# KiCad board OLD_PCB.kicad_pcb (continued)
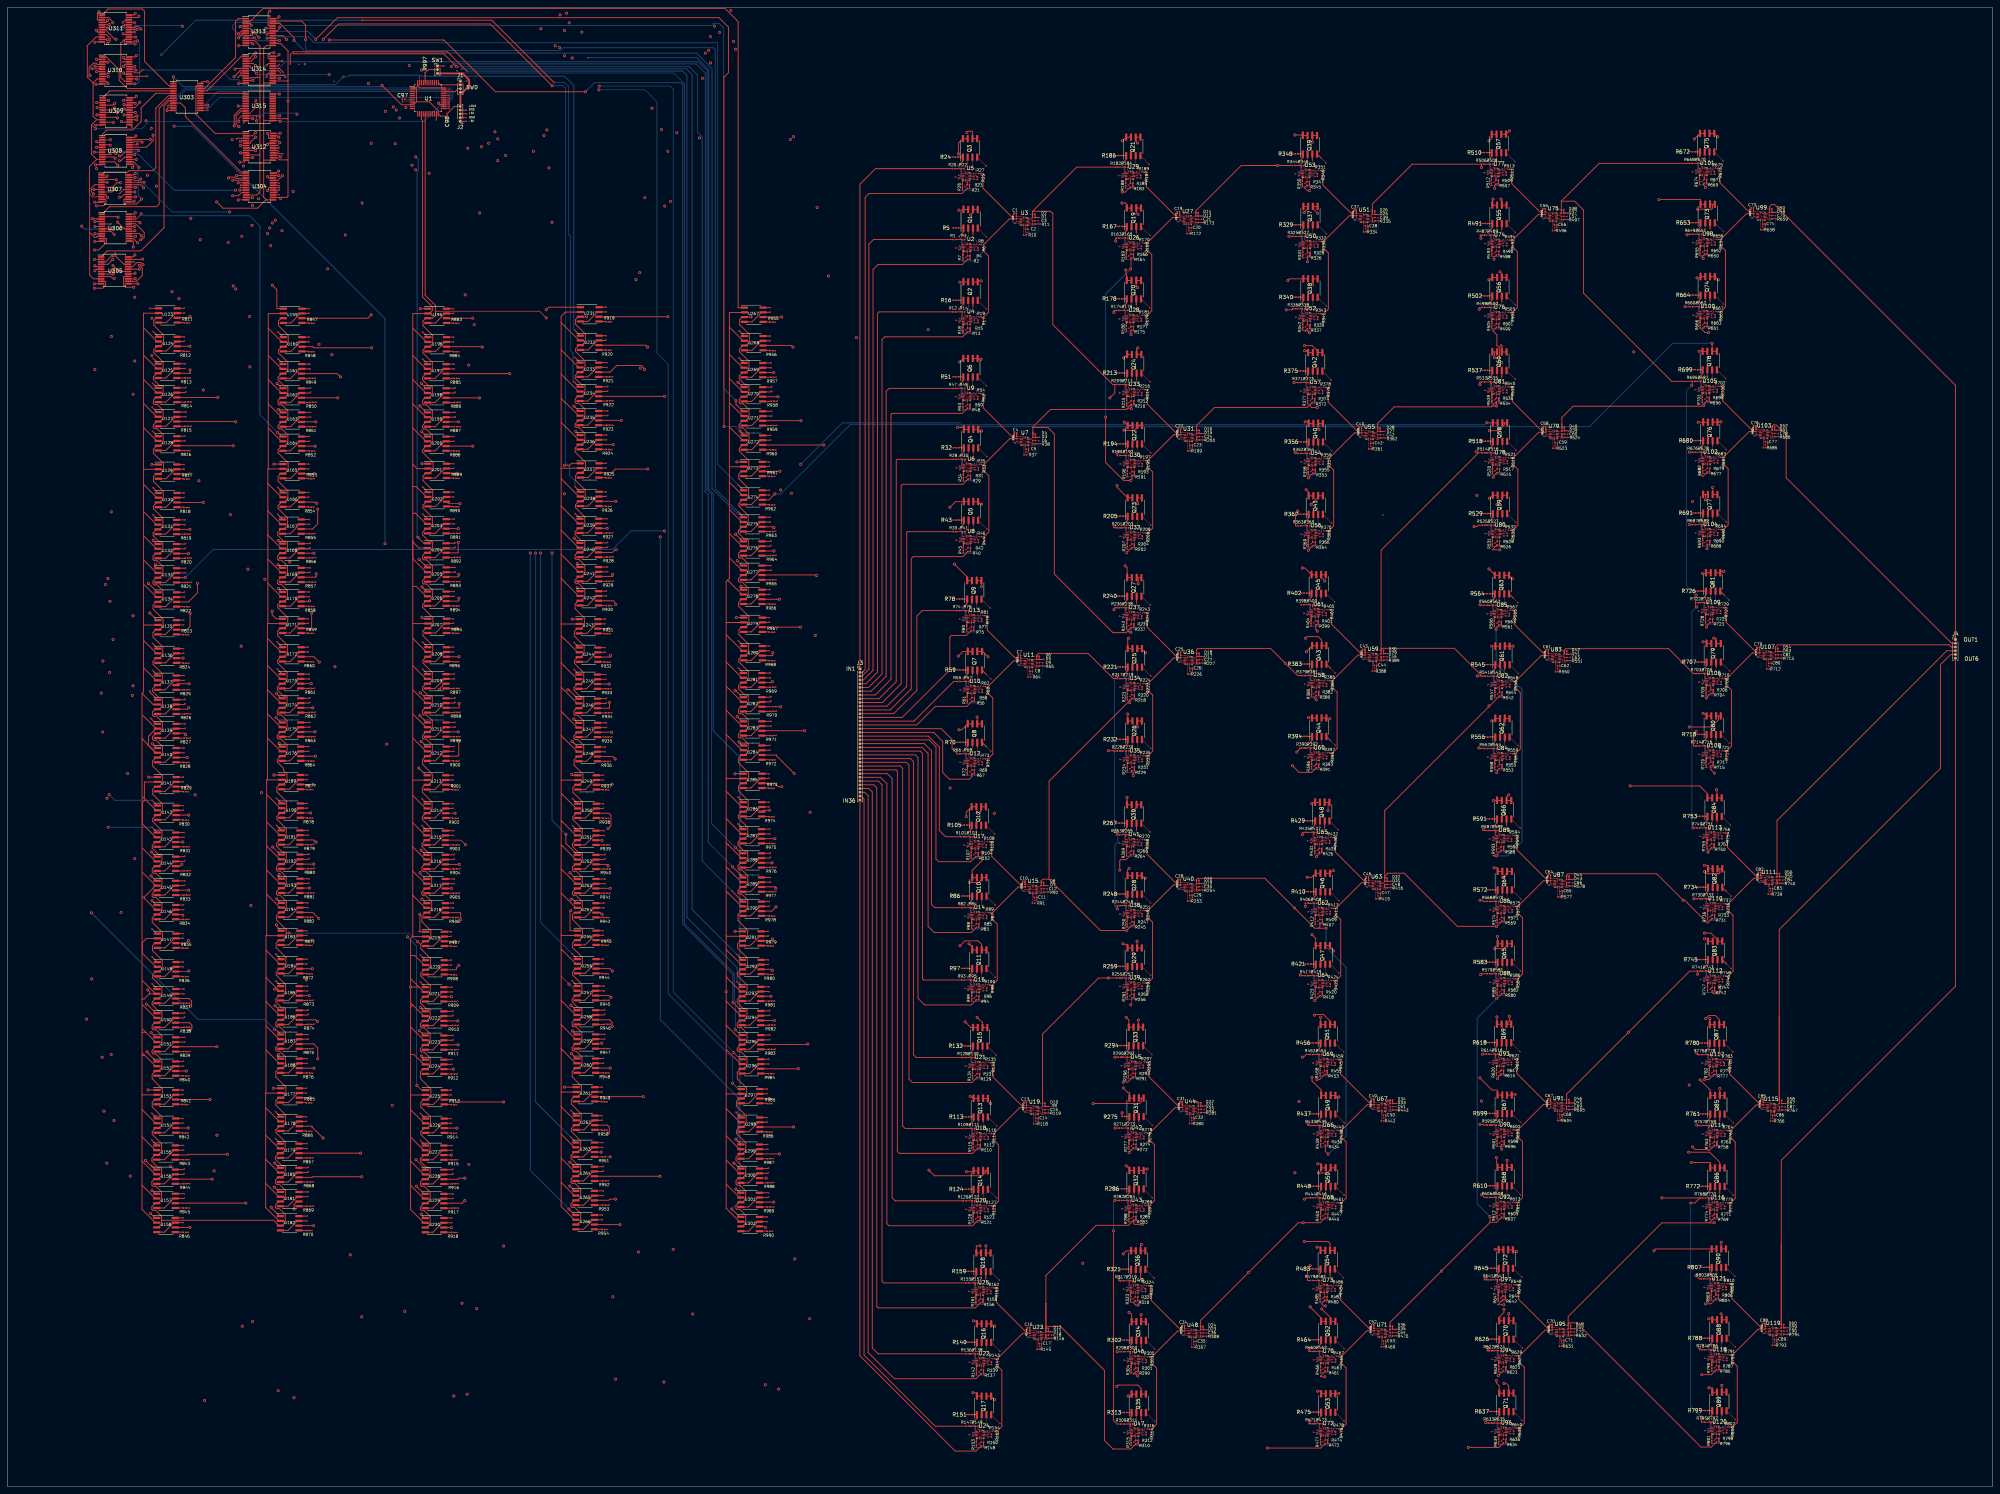
[diagram p0: board, top side]
## Placement (name value [footprint] x y rotation side) (continued)
R82  1k  [R_0201_0603Metric]  255.13 154.6 0 top
R83  1k  [R_0201_0603Metric]  259.03 149.32 0 top
R84  1k  [R_0201_0603Metric]  257.58 154.6 0 top
R85  1k  [R_0201_0603Metric]  259.03 150.28 180 top
R86  200k  [R_0201_0603Metric]  255.93 157.7 0 top
R87  200k  [R_0201_0603Metric]  261.47 152.06 90 top
R88  1k  [R_0201_0603Metric]  257.45 150 270 top
R89  1k  [R_0201_0603Metric]  262.66 153.26 0 top
R90  1k  [R_0201_0603Metric]  271.73 160.43 90 top
R91  1k  [R_0201_0603Metric]  273.99 155.81 0 top
R92  100k  [R_0201_0603Metric]  276.35 158.75 0 top
R93  1k  [R_0201_0603Metric]  255.13 135.28 0 top
R94  1k  [R_0201_0603Metric]  259.02 129.99 0 top
R95  1k  [R_0201_0603Metric]  257.57 135.28 0 top
R96  1k  [R_0201_0603Metric]  259.02 130.96 180 top
R97  200k  [R_0201_0603Metric]  255.93 138.38 0 top
R98  200k  [R_0201_0603Metric]  261.46 132.74 90 top
R99  1k  [R_0201_0603Metric]  257.45 130.68 270 top
R100  1k  [R_0201_0603Metric]  262.65 133.93 0 top
R101  1k  [R_0201_0603Metric]  254.98 173.54 0 top
R102  1k  [R_0201_0603Metric]  258.88 168.25 0 top
R103  1k  [R_0201_0603Metric]  257.43 173.54 0 top
R104  1k  [R_0201_0603Metric]  258.88 169.22 180 top
R105  200k  [R_0201_0603Metric]  255.78 176.64 0 top
R106  200k  [R_0201_0603Metric]  261.32 171 90 top
R107  1k  [R_0201_0603Metric]  257.3 168.94 270 top
R108  1k  [R_0201_0603Metric]  262.51 172.19 0 top
R109  1k  [R_0201_0603Metric]  255.5 95.63 0 top
R110  1k  [R_0201_0603Metric]  259.39 90.34 0 top
R111  1k  [R_0201_0603Metric]  257.94 95.63 0 top
R112  1k  [R_0201_0603Metric]  259.39 91.31 180 top
R113  200k  [R_0201_0603Metric]  256.3 98.73 0 top
R114  200k  [R_0201_0603Metric]  261.83 93.09 90 top
R115  1k  [R_0201_0603Metric]  257.82 91.03 270 top
R116  1k  [R_0201_0603Metric]  263.02 94.28 0 top
R117  1k  [R_0201_0603Metric]  272.09 101.45 90 top
R118  1k  [R_0201_0603Metric]  274.35 96.83 0 top
R119  100k  [R_0201_0603Metric]  276.71 99.78 0 top
R120  1k  [R_0201_0603Metric]  255.49 76.3 0 top
R121  1k  [R_0201_0603Metric]  259.39 71.02 0 top
R122  1k  [R_0201_0603Metric]  257.94 76.3 0 top
R123  1k  [R_0201_0603Metric]  259.39 71.98 180 top
R124  200k  [R_0201_0603Metric]  256.29 79.4 0 top
R125  200k  [R_0201_0603Metric]  261.83 73.76 90 top
R126  1k  [R_0201_0603Metric]  257.81 71.7 270 top
R127  1k  [R_0201_0603Metric]  263.02 74.96 0 top
R128  1k  [R_0201_0603Metric]  255.35 114.56 0 top
R129  1k  [R_0201_0603Metric]  259.24 109.28 0 top
R130  1k  [R_0201_0603Metric]  257.79 114.56 0 top
R131  1k  [R_0201_0603Metric]  259.24 110.24 180 top
R132  200k  [R_0201_0603Metric]  256.15 117.66 0 top
R133  200k  [R_0201_0603Metric]  261.68 112.02 90 top
R134  1k  [R_0201_0603Metric]  257.67 109.97 270 top
R135  1k  [R_0201_0603Metric]  262.88 113.22 0 top
R136  1k  [R_0201_0603Metric]  256.38 35.44 0 top
R137  1k  [R_0201_0603Metric]  260.28 30.15 0 top
R138  1k  [R_0201_0603Metric]  258.83 35.44 0 top
R139  1k  [R_0201_0603Metric]  260.28 31.12 180 top
R140  200k  [R_0201_0603Metric]  257.18 38.54 0 top
R141  200k  [R_0201_0603Metric]  262.72 32.9 90 top
R142  1k  [R_0201_0603Metric]  258.7 30.84 270 top
R143  1k  [R_0201_0603Metric]  263.91 34.09 0 top
R144  1k  [R_0201_0603Metric]  272.98 41.27 90 top
R145  1k  [R_0201_0603Metric]  275.24 36.64 0 top
R146  100k  [R_0201_0603Metric]  277.6 39.59 0 top
R147  1k  [R_0201_0603Metric]  256.38 16.11 0 top
R148  1k  [R_0201_0603Metric]  260.27 10.83 0 top
R149  1k  [R_0201_0603Metric]  258.82 16.11 0 top
R150  1k  [R_0201_0603Metric]  260.27 11.79 180 top
R151  200k  [R_0201_0603Metric]  257.18 19.21 0 top
R152  200k  [R_0201_0603Metric]  262.71 13.57 90 top
R153  1k  [R_0201_0603Metric]  258.7 11.52 270 top
R154  1k  [R_0201_0603Metric]  263.9 14.77 0 top
R155  1k  [R_0201_0603Metric]  256.23 54.38 0 top
R156  1k  [R_0201_0603Metric]  260.13 49.09 0 top
R157  1k  [R_0201_0603Metric]  258.68 54.37 0 top
R158  1k  [R_0201_0603Metric]  260.13 50.06 180 top
R159  200k  [R_0201_0603Metric]  257.03 57.48 0 top
R160  200k  [R_0201_0603Metric]  262.57 51.83 90 top
R161  1k  [R_0201_0603Metric]  258.55 49.78 270 top
R162  1k  [R_0201_0603Metric]  263.76 53.03 0 top
R163  1k  [R_0201_0603Metric]  296.4 333.43 0 top
R164  1k  [R_0201_0603Metric]  300.29 328.14 0 top
R165  1k  [R_0201_0603Metric]  298.84 333.43 0 top
R166  1k  [R_0201_0603Metric]  300.29 329.11 180 top
R167  200k  [R_0201_0603Metric]  297.2 336.53 0 top
R168  200k  [R_0201_0603Metric]  302.73 330.89 90 top
R169  1k  [R_0201_0603Metric]  298.72 328.83 270 top
R170  1k  [R_0201_0603Metric]  303.92 332.08 0 top
R171  1k  [R_0201_0603Metric]  312.99 339.25 90 top
R172  1k  [R_0201_0603Metric]  315.25 334.63 0 top
R173  100k  [R_0201_0603Metric]  317.61 337.58 0 top
R174  1k  [R_0201_0603Metric]  296.39 314.1 0 top
R175  1k  [R_0201_0603Metric]  300.29 308.82 0 top
R176  1k  [R_0201_0603Metric]  298.84 314.1 0 top
R177  1k  [R_0201_0603Metric]  300.29 309.78 180 top
R178  200k  [R_0201_0603Metric]  297.19 317.2 0 top
R179  200k  [R_0201_0603Metric]  302.73 311.56 90 top
R180  1k  [R_0201_0603Metric]  298.71 309.5 270 top
R181  1k  [R_0201_0603Metric]  303.92 312.76 0 top
R182  1k  [R_0201_0603Metric]  296.25 352.36 0 top
R183  1k  [R_0201_0603Metric]  300.14 347.08 0 top
R184  1k  [R_0201_0603Metric]  298.69 352.36 0 top
R185  1k  [R_0201_0603Metric]  300.14 348.04 180 top
R186  200k  [R_0201_0603Metric]  297.05 355.46 0 top
R187  200k  [R_0201_0603Metric]  302.58 349.82 90 top
R188  1k  [R_0201_0603Metric]  298.57 347.77 270 top
R189  1k  [R_0201_0603Metric]  303.77 351.02 0 top
R190  1k  [R_0201_0603Metric]  296.65 275.36 0 top
R191  1k  [R_0201_0603Metric]  300.54 270.08 0 top
R192  1k  [R_0201_0603Metric]  299.09 275.36 0 top
R193  1k  [R_0201_0603Metric]  300.54 271.04 180 top
R194  200k  [R_0201_0603Metric]  297.45 278.46 0 top
R195  200k  [R_0201_0603Metric]  302.98 272.82 90 top
R196  1k  [R_0201_0603Metric]  298.97 270.77 270 top
R197  1k  [R_0201_0603Metric]  304.17 274.02 0 top
R198  1k  [R_0201_0603Metric]  313.24 281.19 90 top
R199  1k  [R_0201_0603Metric]  315.5 276.57 0 top
R200  100k  [R_0201_0603Metric]  317.86 279.51 0 top
R201  1k  [R_0201_0603Metric]  296.64 256.04 0 top
R202  1k  [R_0201_0603Metric]  300.54 250.75 0 top
R203  1k  [R_0201_0603Metric]  299.09 256.04 0 top
R204  1k  [R_0201_0603Metric]  300.54 251.72 180 top
R205  200k  [R_0201_0603Metric]  297.44 259.14 0 top
R206  200k  [R_0201_0603Metric]  302.98 253.5 90 top
R207  1k  [R_0201_0603Metric]  298.96 251.44 270 top
R208  1k  [R_0201_0603Metric]  304.17 254.69 0 top
R209  1k  [R_0201_0603Metric]  296.5 294.3 0 top
R210  1k  [R_0201_0603Metric]  300.39 289.02 0 top
R211  1k  [R_0201_0603Metric]  298.95 294.3 0 top
R212  1k  [R_0201_0603Metric]  300.39 289.98 180 top
R213  200k  [R_0201_0603Metric]  297.3 297.4 0 top
R214  200k  [R_0201_0603Metric]  302.83 291.76 90 top
R215  1k  [R_0201_0603Metric]  298.82 289.7 270 top
R216  1k  [R_0201_0603Metric]  304.03 292.95 0 top
R217  1k  [R_0201_0603Metric]  296.65 215.76 0 top
R218  1k  [R_0201_0603Metric]  300.54 210.48 0 top
R219  1k  [R_0201_0603Metric]  299.09 215.76 0 top
R220  1k  [R_0201_0603Metric]  300.54 211.44 180 top
R221  200k  [R_0201_0603Metric]  297.45 218.86 0 top
R222  200k  [R_0201_0603Metric]  302.98 213.22 90 top
R223  1k  [R_0201_0603Metric]  298.97 211.17 270 top
R224  1k  [R_0201_0603Metric]  304.17 214.42 0 top
R225  1k  [R_0201_0603Metric]  313.24 221.59 90 top
R226  1k  [R_0201_0603Metric]  315.5 216.97 0 top
R227  100k  [R_0201_0603Metric]  317.86 219.91 0 top
R228  1k  [R_0201_0603Metric]  296.64 196.44 0 top
R229  1k  [R_0201_0603Metric]  300.54 191.15 0 top
R230  1k  [R_0201_0603Metric]  299.09 196.44 0 top
R231  1k  [R_0201_0603Metric]  300.54 192.12 180 top
R232  200k  [R_0201_0603Metric]  297.44 199.54 0 top
R233  200k  [R_0201_0603Metric]  302.98 193.9 90 top
R234  1k  [R_0201_0603Metric]  298.96 191.84 270 top
R235  1k  [R_0201_0603Metric]  304.17 195.09 0 top
R236  1k  [R_0201_0603Metric]  296.5 234.7 0 top
R237  1k  [R_0201_0603Metric]  300.39 229.42 0 top
R238  1k  [R_0201_0603Metric]  298.95 234.7 0 top
R239  1k  [R_0201_0603Metric]  300.39 230.38 180 top
R240  200k  [R_0201_0603Metric]  297.3 237.8 0 top
R241  200k  [R_0201_0603Metric]  302.83 232.16 90 top
R242  1k  [R_0201_0603Metric]  298.82 230.1 270 top
R243  1k  [R_0201_0603Metric]  304.03 233.35 0 top
R244  1k  [R_0201_0603Metric]  296.61 155.14 0 top
R245  1k  [R_0201_0603Metric]  300.51 149.85 0 top
R246  1k  [R_0201_0603Metric]  299.06 155.14 0 top
R247  1k  [R_0201_0603Metric]  300.51 150.82 180 top
R248  200k  [R_0201_0603Metric]  297.41 158.24 0 top
R249  200k  [R_0201_0603Metric]  302.95 152.6 90 top
R250  1k  [R_0201_0603Metric]  298.93 150.54 270 top
R251  1k  [R_0201_0603Metric]  304.14 153.79 0 top
R252  1k  [R_0201_0603Metric]  313.21 160.97 90 top
R253  1k  [R_0201_0603Metric]  315.47 156.34 0 top
R254  100k  [R_0201_0603Metric]  317.83 159.29 0 top
R255  1k  [R_0201_0603Metric]  296.61 135.81 0 top
R256  1k  [R_0201_0603Metric]  300.5 130.53 0 top
R257  1k  [R_0201_0603Metric]  299.05 135.81 0 top
R258  1k  [R_0201_0603Metric]  300.5 131.49 180 top
R259  200k  [R_0201_0603Metric]  297.41 138.91 0 top
R260  200k  [R_0201_0603Metric]  302.94 133.27 90 top
R261  1k  [R_0201_0603Metric]  298.93 131.22 270 top
R262  1k  [R_0201_0603Metric]  304.13 134.47 0 top
R263  1k  [R_0201_0603Metric]  296.46 174.08 0 top
R264  1k  [R_0201_0603Metric]  300.36 168.79 0 top
R265  1k  [R_0201_0603Metric]  298.91 174.07 0 top
R266  1k  [R_0201_0603Metric]  300.36 169.76 180 top
R267  200k  [R_0201_0603Metric]  297.26 177.18 0 top
R268  200k  [R_0201_0603Metric]  302.8 171.53 90 top
R269  1k  [R_0201_0603Metric]  298.78 169.48 270 top
R270  1k  [R_0201_0603Metric]  303.99 172.73 0 top
R271  1k  [R_0201_0603Metric]  297.1 95.73 0 top
R272  1k  [R_0201_0603Metric]  300.99 90.44 0 top
R273  1k  [R_0201_0603Metric]  299.54 95.73 0 top
R274  1k  [R_0201_0603Metric]  300.99 91.41 180 top
R275  200k  [R_0201_0603Metric]  297.9 98.83 0 top
R276  200k  [R_0201_0603Metric]  303.43 93.19 90 top
R277  1k  [R_0201_0603Metric]  299.42 91.13 270 top
R278  1k  [R_0201_0603Metric]  304.62 94.38 0 top
R279  1k  [R_0201_0603Metric]  313.69 101.55 90 top
R280  1k  [R_0201_0603Metric]  315.95 96.93 0 top
R281  100k  [R_0201_0603Metric]  318.31 99.88 0 top
R282  1k  [R_0201_0603Metric]  297.09 76.4 0 top
R283  1k  [R_0201_0603Metric]  300.99 71.12 0 top
R284  1k  [R_0201_0603Metric]  299.54 76.4 0 top
R285  1k  [R_0201_0603Metric]  300.99 72.08 180 top
R286  200k  [R_0201_0603Metric]  297.89 79.5 0 top
R287  200k  [R_0201_0603Metric]  303.43 73.86 90 top
R288  1k  [R_0201_0603Metric]  299.41 71.8 270 top
R289  1k  [R_0201_0603Metric]  304.62 75.06 0 top
R290  1k  [R_0201_0603Metric]  296.95 114.66 0 top
R291  1k  [R_0201_0603Metric]  300.84 109.38 0 top
R292  1k  [R_0201_0603Metric]  299.39 114.66 0 top
R293  1k  [R_0201_0603Metric]  300.84 110.34 180 top
R294  200k  [R_0201_0603Metric]  297.75 117.76 0 top
R295  200k  [R_0201_0603Metric]  303.28 112.12 90 top
R296  1k  [R_0201_0603Metric]  299.27 110.07 270 top
R297  1k  [R_0201_0603Metric]  304.47 113.32 0 top
R298  1k  [R_0201_0603Metric]  297.7 36 0 top
R299  1k  [R_0201_0603Metric]  301.59 30.72 0 top
R300  1k  [R_0201_0603Metric]  300.15 36 0 top
R301  1k  [R_0201_0603Metric]  301.59 31.68 180 top
R302  200k  [R_0201_0603Metric]  298.5 39.1 0 top
R303  200k  [R_0201_0603Metric]  304.03 33.46 90 top
R304  1k  [R_0201_0603Metric]  300.02 31.4 270 top
R305  1k  [R_0201_0603Metric]  305.23 34.65 0 top
R306  1k  [R_0201_0603Metric]  314.29 41.83 90 top
R307  1k  [R_0201_0603Metric]  316.55 37.2 0 top
R308  100k  [R_0201_0603Metric]  318.92 40.15 0 top
R309  1k  [R_0201_0603Metric]  297.69 16.68 0 top
R310  1k  [R_0201_0603Metric]  301.59 11.39 0 top
R311  1k  [R_0201_0603Metric]  300.14 16.67 0 top
R312  1k  [R_0201_0603Metric]  301.59 12.36 180 top
R313  200k  [R_0201_0603Metric]  298.5 19.78 0 top
R314  200k  [R_0201_0603Metric]  304.03 14.13 90 top
R315  1k  [R_0201_0603Metric]  300.01 12.08 270 top
R316  1k  [R_0201_0603Metric]  305.22 15.33 0 top
R317  1k  [R_0201_0603Metric]  297.55 54.94 0 top
R318  1k  [R_0201_0603Metric]  301.44 49.65 0 top
R319  1k  [R_0201_0603Metric]  300 54.94 0 top
R320  1k  [R_0201_0603Metric]  301.44 50.62 180 top
R321  200k  [R_0201_0603Metric]  298.35 58.04 0 top
R322  200k  [R_0201_0603Metric]  303.88 52.4 90 top
R323  1k  [R_0201_0603Metric]  299.87 50.34 270 top
R324  1k  [R_0201_0603Metric]  305.08 53.59 0 top
R325  1k  [R_0201_0603Metric]  343.55 333.86 0 top
R326  1k  [R_0201_0603Metric]  347.44 328.58 0 top
R327  1k  [R_0201_0603Metric]  346 333.86 0 top
R328  1k  [R_0201_0603Metric]  347.44 329.54 180 top
R329  200k  [R_0201_0603Metric]  344.35 336.96 0 top
R330  200k  [R_0201_0603Metric]  349.88 331.32 90 top
R331  1k  [R_0201_0603Metric]  345.87 329.27 270 top
R332  1k  [R_0201_0603Metric]  351.07 332.52 0 top
R333  1k  [R_0201_0603Metric]  360.14 339.69 90 top
R334  1k  [R_0201_0603Metric]  362.4 335.07 0 top
R335  100k  [R_0201_0603Metric]  364.76 338.01 0 top
R336  1k  [R_0201_0603Metric]  343.54 314.54 0 top
R337  1k  [R_0201_0603Metric]  347.44 309.25 0 top
R338  1k  [R_0201_0603Metric]  345.99 314.54 0 top
R339  1k  [R_0201_0603Metric]  347.44 310.22 180 top
R340  200k  [R_0201_0603Metric]  344.34 317.64 0 top
R341  200k  [R_0201_0603Metric]  349.88 312 90 top
R342  1k  [R_0201_0603Metric]  345.86 309.94 270 top
R343  1k  [R_0201_0603Metric]  351.07 313.19 0 top
R344  1k  [R_0201_0603Metric]  343.4 352.8 0 top
R345  1k  [R_0201_0603Metric]  347.29 347.52 0 top
R346  1k  [R_0201_0603Metric]  345.85 352.8 0 top
R347  1k  [R_0201_0603Metric]  347.29 348.48 180 top
R348  200k  [R_0201_0603Metric]  344.2 355.9 0 top
R349  200k  [R_0201_0603Metric]  349.73 350.26 90 top
R350  1k  [R_0201_0603Metric]  345.72 348.2 270 top
R351  1k  [R_0201_0603Metric]  350.93 351.45 0 top
R352  1k  [R_0201_0603Metric]  344.96 275.9 0 top
R353  1k  [R_0201_0603Metric]  348.86 270.62 0 top
R354  1k  [R_0201_0603Metric]  347.41 275.9 0 top
R355  1k  [R_0201_0603Metric]  348.86 271.58 180 top
R356  200k  [R_0201_0603Metric]  345.76 279 0 top
R357  200k  [R_0201_0603Metric]  351.3 273.36 90 top
R358  1k  [R_0201_0603Metric]  347.28 271.3 270 top
R359  1k  [R_0201_0603Metric]  352.49 274.55 0 top
R360  1k  [R_0201_0603Metric]  361.56 281.73 90 top
R361  1k  [R_0201_0603Metric]  363.82 277.11 0 top
R362  100k  [R_0201_0603Metric]  366.18 280.05 0 top
R363  1k  [R_0201_0603Metric]  344.96 256.58 0 top
R364  1k  [R_0201_0603Metric]  348.85 251.29 0 top
R365  1k  [R_0201_0603Metric]  347.4 256.58 0 top
R366  1k  [R_0201_0603Metric]  348.85 252.26 180 top
R367  200k  [R_0201_0603Metric]  345.76 259.68 0 top
R368  200k  [R_0201_0603Metric]  351.29 254.04 90 top
R369  1k  [R_0201_0603Metric]  347.28 251.98 270 top
R370  1k  [R_0201_0603Metric]  352.48 255.23 0 top
R371  1k  [R_0201_0603Metric]  344.81 294.84 0 top
R372  1k  [R_0201_0603Metric]  348.71 289.55 0 top
R373  1k  [R_0201_0603Metric]  347.26 294.84 0 top
R374  1k  [R_0201_0603Metric]  348.71 290.52 180 top
R375  200k  [R_0201_0603Metric]  345.61 297.94 0 top
R376  200k  [R_0201_0603Metric]  351.15 292.3 90 top
R377  1k  [R_0201_0603Metric]  347.13 290.24 270 top
R378  1k  [R_0201_0603Metric]  352.34 293.49 0 top
R379  1k  [R_0201_0603Metric]  345.89 216.56 0 top
R380  1k  [R_0201_0603Metric]  349.78 211.28 0 top
R381  1k  [R_0201_0603Metric]  348.33 216.56 0 top
R382  1k  [R_0201_0603Metric]  349.78 212.24 180 top
R383  200k  [R_0201_0603Metric]  346.69 219.66 0 top
R384  200k  [R_0201_0603Metric]  352.22 214.02 90 top
R385  1k  [R_0201_0603Metric]  348.2 211.96 270 top
R386  1k  [R_0201_0603Metric]  353.41 215.21 0 top
R387  1k  [R_0201_0603Metric]  362.48 222.39 90 top
R388  1k  [R_0201_0603Metric]  364.74 217.77 0 top
R389  100k  [R_0201_0603Metric]  367.1 220.71 0 top
R390  1k  [R_0201_0603Metric]  345.88 197.24 0 top
R391  1k  [R_0201_0603Metric]  349.77 191.95 0 top
R392  1k  [R_0201_0603Metric]  348.33 197.24 0 top
R393  1k  [R_0201_0603Metric]  349.77 192.92 180 top
R394  200k  [R_0201_0603Metric]  346.68 200.34 0 top
R395  200k  [R_0201_0603Metric]  352.21 194.7 90 top
R396  1k  [R_0201_0603Metric]  348.2 192.64 270 top
R397  1k  [R_0201_0603Metric]  353.41 195.89 0 top
R398  1k  [R_0201_0603Metric]  345.74 235.5 0 top
R399  1k  [R_0201_0603Metric]  349.63 230.21 0 top
R400  1k  [R_0201_0603Metric]  348.18 235.5 0 top
R401  1k  [R_0201_0603Metric]  349.63 231.18 180 top
R402  200k  [R_0201_0603Metric]  346.54 238.6 0 top
R403  200k  [R_0201_0603Metric]  352.07 232.96 90 top
R404  1k  [R_0201_0603Metric]  348.06 230.9 270 top
R405  1k  [R_0201_0603Metric]  353.26 234.15 0 top
R406  1k  [R_0201_0603Metric]  346.85 155.76 0 top
R407  1k  [R_0201_0603Metric]  350.74 150.48 0 top
R408  1k  [R_0201_0603Metric]  349.29 155.76 0 top
R409  1k  [R_0201_0603Metric]  350.74 151.44 180 top
R410  200k  [R_0201_0603Metric]  347.65 158.86 0 top
R411  200k  [R_0201_0603Metric]  353.18 153.22 90 top
R412  1k  [R_0201_0603Metric]  349.17 151.17 270 top
R413  1k  [R_0201_0603Metric]  354.38 154.42 0 top
R414  1k  [R_0201_0603Metric]  363.44 161.59 90 top
R415  1k  [R_0201_0603Metric]  365.7 156.97 0 top
R416  100k  [R_0201_0603Metric]  368.06 159.91 0 top
R417  1k  [R_0201_0603Metric]  346.84 136.44 0 top
R418  1k  [R_0201_0603Metric]  350.74 131.15 0 top
R419  1k  [R_0201_0603Metric]  349.29 136.44 0 top
R420  1k  [R_0201_0603Metric]  350.74 132.12 180 top
R421  200k  [R_0201_0603Metric]  347.64 139.54 0 top
R422  200k  [R_0201_0603Metric]  353.18 133.9 90 top
R423  1k  [R_0201_0603Metric]  349.16 131.84 270 top
R424  1k  [R_0201_0603Metric]  354.37 135.09 0 top
R425  1k  [R_0201_0603Metric]  346.7 174.7 0 top
R426  1k  [R_0201_0603Metric]  350.59 169.42 0 top
R427  1k  [R_0201_0603Metric]  349.15 174.7 0 top
R428  1k  [R_0201_0603Metric]  350.59 170.38 180 top
R429  200k  [R_0201_0603Metric]  347.5 177.8 0 top
R430  200k  [R_0201_0603Metric]  353.03 172.16 90 top
R431  1k  [R_0201_0603Metric]  349.02 170.1 270 top
R432  1k  [R_0201_0603Metric]  354.23 173.35 0 top
R433  1k  [R_0201_0603Metric]  348.3 96.43 0 top
R434  1k  [R_0201_0603Metric]  352.19 91.14 0 top
R435  1k  [R_0201_0603Metric]  350.74 96.43 0 top
R436  1k  [R_0201_0603Metric]  352.19 92.11 180 top
R437  200k  [R_0201_0603Metric]  349.1 99.53 0 top
R438  200k  [R_0201_0603Metric]  354.63 93.89 90 top
R439  1k  [R_0201_0603Metric]  350.62 91.83 270 top
R440  1k  [R_0201_0603Metric]  355.82 95.08 0 top
R441  1k  [R_0201_0603Metric]  364.89 102.25 90 top
R442  1k  [R_0201_0603Metric]  367.15 97.63 0 top
R443  100k  [R_0201_0603Metric]  369.51 100.58 0 top
R444  1k  [R_0201_0603Metric]  348.29 77.1 0 top
R445  1k  [R_0201_0603Metric]  352.19 71.82 0 top
R446  1k  [R_0201_0603Metric]  350.74 77.1 0 top
R447  1k  [R_0201_0603Metric]  352.19 72.78 180 top
R448  200k  [R_0201_0603Metric]  349.09 80.2 0 top
R449  200k  [R_0201_0603Metric]  354.63 74.56 90 top
R450  1k  [R_0201_0603Metric]  350.61 72.5 270 top
R451  1k  [R_0201_0603Metric]  355.82 75.76 0 top
R452  1k  [R_0201_0603Metric]  348.15 115.36 0 top
R453  1k  [R_0201_0603Metric]  352.04 110.08 0 top
R454  1k  [R_0201_0603Metric]  350.59 115.36 0 top
R455  1k  [R_0201_0603Metric]  352.04 111.04 180 top
R456  200k  [R_0201_0603Metric]  348.95 118.46 0 top
R457  200k  [R_0201_0603Metric]  354.48 112.82 90 top
R458  1k  [R_0201_0603Metric]  350.47 110.77 270 top
R459  1k  [R_0201_0603Metric]  355.67 114.02 0 top
R460  1k  [R_0201_0603Metric]  348.28 36.09 0 top
R461  1k  [R_0201_0603Metric]  352.18 30.81 0 top
R462  1k  [R_0201_0603Metric]  350.73 36.09 0 top
R463  1k  [R_0201_0603Metric]  352.18 31.78 180 top
R464  200k  [R_0201_0603Metric]  349.08 39.19 0 top
R465  200k  [R_0201_0603Metric]  354.62 33.55 90 top
R466  1k  [R_0201_0603Metric]  350.6 31.5 270 top
R467  1k  [R_0201_0603Metric]  355.81 34.75 0 top
R468  1k  [R_0201_0603Metric]  364.88 41.92 90 top
R469  1k  [R_0201_0603Metric]  367.14 37.3 0 top
R470  100k  [R_0201_0603Metric]  369.5 40.25 0 top
R471  1k  [R_0201_0603Metric]  348.28 16.77 0 top
R472  1k  [R_0201_0603Metric]  352.17 11.49 0 top
R473  1k  [R_0201_0603Metric]  350.72 16.77 0 top
R474  1k  [R_0201_0603Metric]  352.17 12.45 180 top
R475  200k  [R_0201_0603Metric]  349.08 19.87 0 top
R476  200k  [R_0201_0603Metric]  354.61 14.23 90 top
R477  1k  [R_0201_0603Metric]  350.6 12.17 270 top
R478  1k  [R_0201_0603Metric]  355.8 15.42 0 top
R479  1k  [R_0201_0603Metric]  348.13 55.03 0 top
R480  1k  [R_0201_0603Metric]  352.03 49.75 0 top
R481  1k  [R_0201_0603Metric]  350.58 55.03 0 top
R482  1k  [R_0201_0603Metric]  352.03 50.71 180 top
R483  200k  [R_0201_0603Metric]  348.94 58.13 0 top
R484  200k  [R_0201_0603Metric]  354.47 52.49 90 top
R485  1k  [R_0201_0603Metric]  350.45 50.43 270 top
R486  1k  [R_0201_0603Metric]  355.66 53.68 0 top
R487  1k  [R_0201_0603Metric]  394 334.21 0 top
R488  1k  [R_0201_0603Metric]  397.9 328.93 0 top
R489  1k  [R_0201_0603Metric]  396.45 334.21 0 top
R490  1k  [R_0201_0603Metric]  397.9 329.89 180 top
R491  200k  [R_0201_0603Metric]  394.8 337.31 0 top
R492  200k  [R_0201_0603Metric]  400.34 331.67 90 top
R493  1k  [R_0201_0603Metric]  396.32 329.61 270 top
R494  1k  [R_0201_0603Metric]  401.53 332.86 0 top
R495  1k  [R_0201_0603Metric]  410.6 340.04 90 top
R496  1k  [R_0201_0603Metric]  412.86 335.41 0 top
R497  100k  [R_0201_0603Metric]  415.22 338.36 0 top
R498  1k  [R_0201_0603Metric]  394 314.88 0 top
R499  1k  [R_0201_0603Metric]  397.89 309.6 0 top
R500  1k  [R_0201_0603Metric]  396.44 314.88 0 top
R501  1k  [R_0201_0603Metric]  397.89 310.57 180 top
R502  200k  [R_0201_0603Metric]  394.8 317.98 0 top
R503  200k  [R_0201_0603Metric]  400.33 312.34 90 top
R504  1k  [R_0201_0603Metric]  396.32 310.29 270 top
R505  1k  [R_0201_0603Metric]  401.52 313.54 0 top
R506  1k  [R_0201_0603Metric]  393.85 353.15 0 top
R507  1k  [R_0201_0603Metric]  397.75 347.86 0 top
R508  1k  [R_0201_0603Metric]  396.3 353.14 0 top
R509  1k  [R_0201_0603Metric]  397.75 348.83 180 top
R510  200k  [R_0201_0603Metric]  394.65 356.25 0 top
R511  200k  [R_0201_0603Metric]  400.19 350.6 90 top
R512  1k  [R_0201_0603Metric]  396.17 348.55 270 top
R513  1k  [R_0201_0603Metric]  401.38 351.8 0 top
R514  1k  [R_0201_0603Metric]  394.15 276.06 0 top
R515  1k  [R_0201_0603Metric]  398.04 270.78 0 top
R516  1k  [R_0201_0603Metric]  396.59 276.06 0 top
R517  1k  [R_0201_0603Metric]  398.04 271.74 180 top
R518  200k  [R_0201_0603Metric]  394.95 279.16 0 top
R519  200k  [R_0201_0603Metric]  400.48 273.52 90 top
R520  1k  [R_0201_0603Metric]  396.47 271.47 270 top
R521  1k  [R_0201_0603Metric]  401.67 274.72 0 top
R522  1k  [R_0201_0603Metric]  410.74 281.89 90 top
R523  1k  [R_0201_0603Metric]  413 277.27 0 top
R524  100k  [R_0201_0603Metric]  415.36 280.21 0 top
R525  1k  [R_0201_0603Metric]  394.14 256.74 0 top
R526  1k  [R_0201_0603Metric]  398.04 251.45 0 top
R527  1k  [R_0201_0603Metric]  396.59 256.74 0 top
R528  1k  [R_0201_0603Metric]  398.04 252.42 180 top
R529  200k  [R_0201_0603Metric]  394.94 259.84 0 top
R530  200k  [R_0201_0603Metric]  400.48 254.2 90 top
R531  1k  [R_0201_0603Metric]  396.46 252.14 270 top
R532  1k  [R_0201_0603Metric]  401.67 255.39 0 top
R533  1k  [R_0201_0603Metric]  394 295 0 top
R534  1k  [R_0201_0603Metric]  397.89 289.72 0 top
R535  1k  [R_0201_0603Metric]  396.45 295 0 top
R536  1k  [R_0201_0603Metric]  397.89 290.68 180 top
R537  200k  [R_0201_0603Metric]  394.8 298.1 0 top
R538  200k  [R_0201_0603Metric]  400.33 292.46 90 top
R539  1k  [R_0201_0603Metric]  396.32 290.4 270 top
R540  1k  [R_0201_0603Metric]  401.53 293.65 0 top
R541  1k  [R_0201_0603Metric]  394.8 216.41 0 top
R542  1k  [R_0201_0603Metric]  398.7 211.13 0 top
R543  1k  [R_0201_0603Metric]  397.25 216.41 0 top
R544  1k  [R_0201_0603Metric]  398.7 212.09 180 top
R545  200k  [R_0201_0603Metric]  395.6 219.51 0 top
R546  200k  [R_0201_0603Metric]  401.14 213.87 90 top
R547  1k  [R_0201_0603Metric]  397.12 211.81 270 top
R548  1k  [R_0201_0603Metric]  402.33 215.06 0 top
R549  1k  [R_0201_0603Metric]  411.4 222.24 90 top
R550  1k  [R_0201_0603Metric]  413.66 217.61 0 top
R551  100k  [R_0201_0603Metric]  416.02 220.56 0 top
R552  1k  [R_0201_0603Metric]  394.8 197.08 0 top
R553  1k  [R_0201_0603Metric]  398.69 191.8 0 top
R554  1k  [R_0201_0603Metric]  397.24 197.08 0 top
R555  1k  [R_0201_0603Metric]  398.69 192.77 180 top
R556  200k  [R_0201_0603Metric]  395.6 200.18 0 top
R557  200k  [R_0201_0603Metric]  401.13 194.54 90 top
R558  1k  [R_0201_0603Metric]  397.12 192.49 270 top
R559  1k  [R_0201_0603Metric]  402.32 195.74 0 top
R560  1k  [R_0201_0603Metric]  394.65 235.35 0 top
R561  1k  [R_0201_0603Metric]  398.55 230.06 0 top
R562  1k  [R_0201_0603Metric]  397.1 235.34 0 top
R563  1k  [R_0201_0603Metric]  398.55 231.03 180 top
R564  200k  [R_0201_0603Metric]  395.45 238.45 0 top
R565  200k  [R_0201_0603Metric]  400.99 232.8 90 top
R566  1k  [R_0201_0603Metric]  396.97 230.75 270 top
R567  1k  [R_0201_0603Metric]  402.18 234 0 top
R568  1k  [R_0201_0603Metric]  395.41 156.26 0 top
R569  1k  [R_0201_0603Metric]  399.3 150.98 0 top
R570  1k  [R_0201_0603Metric]  397.85 156.26 0 top
R571  1k  [R_0201_0603Metric]  399.3 151.94 180 top
R572  200k  [R_0201_0603Metric]  396.21 159.36 0 top
R573  200k  [R_0201_0603Metric]  401.74 153.72 90 top
R574  1k  [R_0201_0603Metric]  397.73 151.67 270 top
R575  1k  [R_0201_0603Metric]  402.94 154.92 0 top
R576  1k  [R_0201_0603Metric]  412 162.09 90 top
R577  1k  [R_0201_0603Metric]  414.26 157.47 0 top
R578  100k  [R_0201_0603Metric]  416.62 160.41 0 top
R579  1k  [R_0201_0603Metric]  395.4 136.94 0 top
R580  1k  [R_0201_0603Metric]  399.3 131.65 0 top
R581  1k  [R_0201_0603Metric]  397.85 136.94 0 top
R582  1k  [R_0201_0603Metric]  399.3 132.62 180 top
R583  200k  [R_0201_0603Metric]  396.2 140.04 0 top
R584  200k  [R_0201_0603Metric]  401.74 134.4 90 top
R585  1k  [R_0201_0603Metric]  397.72 132.34 270 top
R586  1k  [R_0201_0603Metric]  402.93 135.59 0 top
R587  1k  [R_0201_0603Metric]  395.26 175.2 0 top
R588  1k  [R_0201_0603Metric]  399.15 169.92 0 top
R589  1k  [R_0201_0603Metric]  397.71 175.2 0 top
R590  1k  [R_0201_0603Metric]  399.15 170.88 180 top
R591  200k  [R_0201_0603Metric]  396.06 178.3 0 top
R592  200k  [R_0201_0603Metric]  401.59 172.66 90 top
R593  1k  [R_0201_0603Metric]  397.58 170.6 270 top
R594  1k  [R_0201_0603Metric]  402.79 173.85 0 top
R595  1k  [R_0201_0603Metric]  395.38 96.54 0 top
R596  1k  [R_0201_0603Metric]  399.28 91.25 0 top
R597  1k  [R_0201_0603Metric]  397.83 96.54 0 top
R598  1k  [R_0201_0603Metric]  399.28 92.22 180 top
R599  200k  [R_0201_0603Metric]  396.18 99.64 0 top
R600  200k  [R_0201_0603Metric]  401.72 94 90 top
R601  1k  [R_0201_0603Metric]  397.7 91.94 270 top
R602  1k  [R_0201_0603Metric]  402.91 95.19 0 top
R603  1k  [R_0201_0603Metric]  411.98 102.37 90 top
R604  1k  [R_0201_0603Metric]  414.24 97.74 0 top
R605  100k  [R_0201_0603Metric]  416.6 100.69 0 top
R606  1k  [R_0201_0603Metric]  395.38 77.21 0 top
R607  1k  [R_0201_0603Metric]  399.27 71.93 0 top
R608  1k  [R_0201_0603Metric]  397.82 77.21 0 top
R609  1k  [R_0201_0603Metric]  399.27 72.89 180 top
R610  200k  [R_0201_0603Metric]  396.18 80.31 0 top
R611  200k  [R_0201_0603Metric]  401.71 74.67 90 top
R612  1k  [R_0201_0603Metric]  397.7 72.62 270 top
R613  1k  [R_0201_0603Metric]  402.9 75.87 0 top
R614  1k  [R_0201_0603Metric]  395.23 115.48 0 top
R615  1k  [R_0201_0603Metric]  399.13 110.19 0 top
R616  1k  [R_0201_0603Metric]  397.68 115.47 0 top
R617  1k  [R_0201_0603Metric]  399.13 111.16 180 top
R618  200k  [R_0201_0603Metric]  396.03 118.58 0 top
R619  200k  [R_0201_0603Metric]  401.57 112.93 90 top
R620  1k  [R_0201_0603Metric]  397.55 110.88 270 top
R621  1k  [R_0201_0603Metric]  402.76 114.13 0 top
R622  1k  [R_0201_0603Metric]  395.85 36.26 0 top
R623  1k  [R_0201_0603Metric]  399.74 30.98 0 top
R624  1k  [R_0201_0603Metric]  398.29 36.26 0 top
R625  1k  [R_0201_0603Metric]  399.74 31.94 180 top
R626  200k  [R_0201_0603Metric]  396.65 39.36 0 top
R627  200k  [R_0201_0603Metric]  402.18 33.72 90 top
R628  1k  [R_0201_0603Metric]  398.17 31.67 270 top
R629  1k  [R_0201_0603Metric]  403.38 34.92 0 top
R630  1k  [R_0201_0603Metric]  412.44 42.09 90 top
R631  1k  [R_0201_0603Metric]  414.7 37.47 0 top
R632  100k  [R_0201_0603Metric]  417.06 40.41 0 top
R633  1k  [R_0201_0603Metric]  395.84 16.94 0 top
R634  1k  [R_0201_0603Metric]  399.74 11.65 0 top
R635  1k  [R_0201_0603Metric]  398.29 16.94 0 top
R636  1k  [R_0201_0603Metric]  399.74 12.62 180 top
R637  200k  [R_0201_0603Metric]  396.64 20.04 0 top
R638  200k  [R_0201_0603Metric]  402.18 14.4 90 top
R639  1k  [R_0201_0603Metric]  398.16 12.34 270 top
R640  1k  [R_0201_0603Metric]  403.37 15.59 0 top
R641  1k  [R_0201_0603Metric]  395.7 55.2 0 top
R642  1k  [R_0201_0603Metric]  399.59 49.92 0 top
R643  1k  [R_0201_0603Metric]  398.15 55.2 0 top
R644  1k  [R_0201_0603Metric]  399.59 50.88 180 top
R645  200k  [R_0201_0603Metric]  396.5 58.3 0 top
R646  200k  [R_0201_0603Metric]  402.03 52.66 90 top
R647  1k  [R_0201_0603Metric]  398.02 50.6 270 top
R648  1k  [R_0201_0603Metric]  403.23 53.85 0 top
R649  1k  [R_0201_0603Metric]  449.6 334.43 0 top
R650  1k  [R_0201_0603Metric]  453.49 329.14 0 top
R651  1k  [R_0201_0603Metric]  452.04 334.43 0 top
R652  1k  [R_0201_0603Metric]  453.49 330.11 180 top
R653  200k  [R_0201_0603Metric]  450.4 337.53 0 top
R654  200k  [R_0201_0603Metric]  455.93 331.89 90 top
R655  1k  [R_0201_0603Metric]  451.92 329.83 270 top
R656  1k  [R_0201_0603Metric]  457.12 333.08 0 top
R657  1k  [R_0201_0603Metric]  466.19 340.25 90 top
R658  1k  [R_0201_0603Metric]  468.45 335.63 0 top
R659  100k  [R_0201_0603Metric]  470.81 338.58 0 top
R660  1k  [R_0201_0603Metric]  449.59 315.1 0 top
R661  1k  [R_0201_0603Metric]  453.49 309.82 0 top
R662  1k  [R_0201_0603Metric]  452.04 315.1 0 top
R663  1k  [R_0201_0603Metric]  453.49 310.78 180 top
R664  200k  [R_0201_0603Metric]  450.39 318.2 0 top
R665  200k  [R_0201_0603Metric]  455.93 312.56 90 top
R666  1k  [R_0201_0603Metric]  451.91 310.5 270 top
R667  1k  [R_0201_0603Metric]  457.12 313.76 0 top
R668  1k  [R_0201_0603Metric]  449.45 353.36 0 top
R669  1k  [R_0201_0603Metric]  453.34 348.08 0 top
R670  1k  [R_0201_0603Metric]  451.89 353.36 0 top
R671  1k  [R_0201_0603Metric]  453.34 349.04 180 top
R672  200k  [R_0201_0603Metric]  450.25 356.46 0 top
R673  200k  [R_0201_0603Metric]  455.78 350.82 90 top
R674  1k  [R_0201_0603Metric]  451.77 348.77 270 top
R675  1k  [R_0201_0603Metric]  456.97 352.02 0 top
R676  1k  [R_0201_0603Metric]  450.3 276.23 0 top
R677  1k  [R_0201_0603Metric]  454.19 270.94 0 top
R678  1k  [R_0201_0603Metric]  452.74 276.23 0 top
R679  1k  [R_0201_0603Metric]  454.19 271.91 180 top
R680  200k  [R_0201_0603Metric]  451.1 279.33 0 top
R681  200k  [R_0201_0603Metric]  456.63 273.69 90 top
R682  1k  [R_0201_0603Metric]  452.62 271.63 270 top
R683  1k  [R_0201_0603Metric]  457.82 274.88 0 top
R684  1k  [R_0201_0603Metric]  466.89 282.05 90 top
R685  1k  [R_0201_0603Metric]  469.15 277.43 0 top
R686  100k  [R_0201_0603Metric]  471.51 280.38 0 top
R687  1k  [R_0201_0603Metric]  450.29 256.9 0 top
R688  1k  [R_0201_0603Metric]  454.19 251.62 0 top
